# Altium PCB RFC_MB.PcbDoc (part 36 of 37)
Units mm, origin at the board's own origin, x right, y up, seen from the top; angles counter-clockwise.
Board outline 440 x 340 mm, 6 copper layers (TopLayer, PlaneGnd, PlanePwr, MidLayer3, MidLayer4, BottomLayer); 1264 components, 1336 nets, 5034 pads, 876 vias.
Unrouted connection lines stored in the file: 2433.
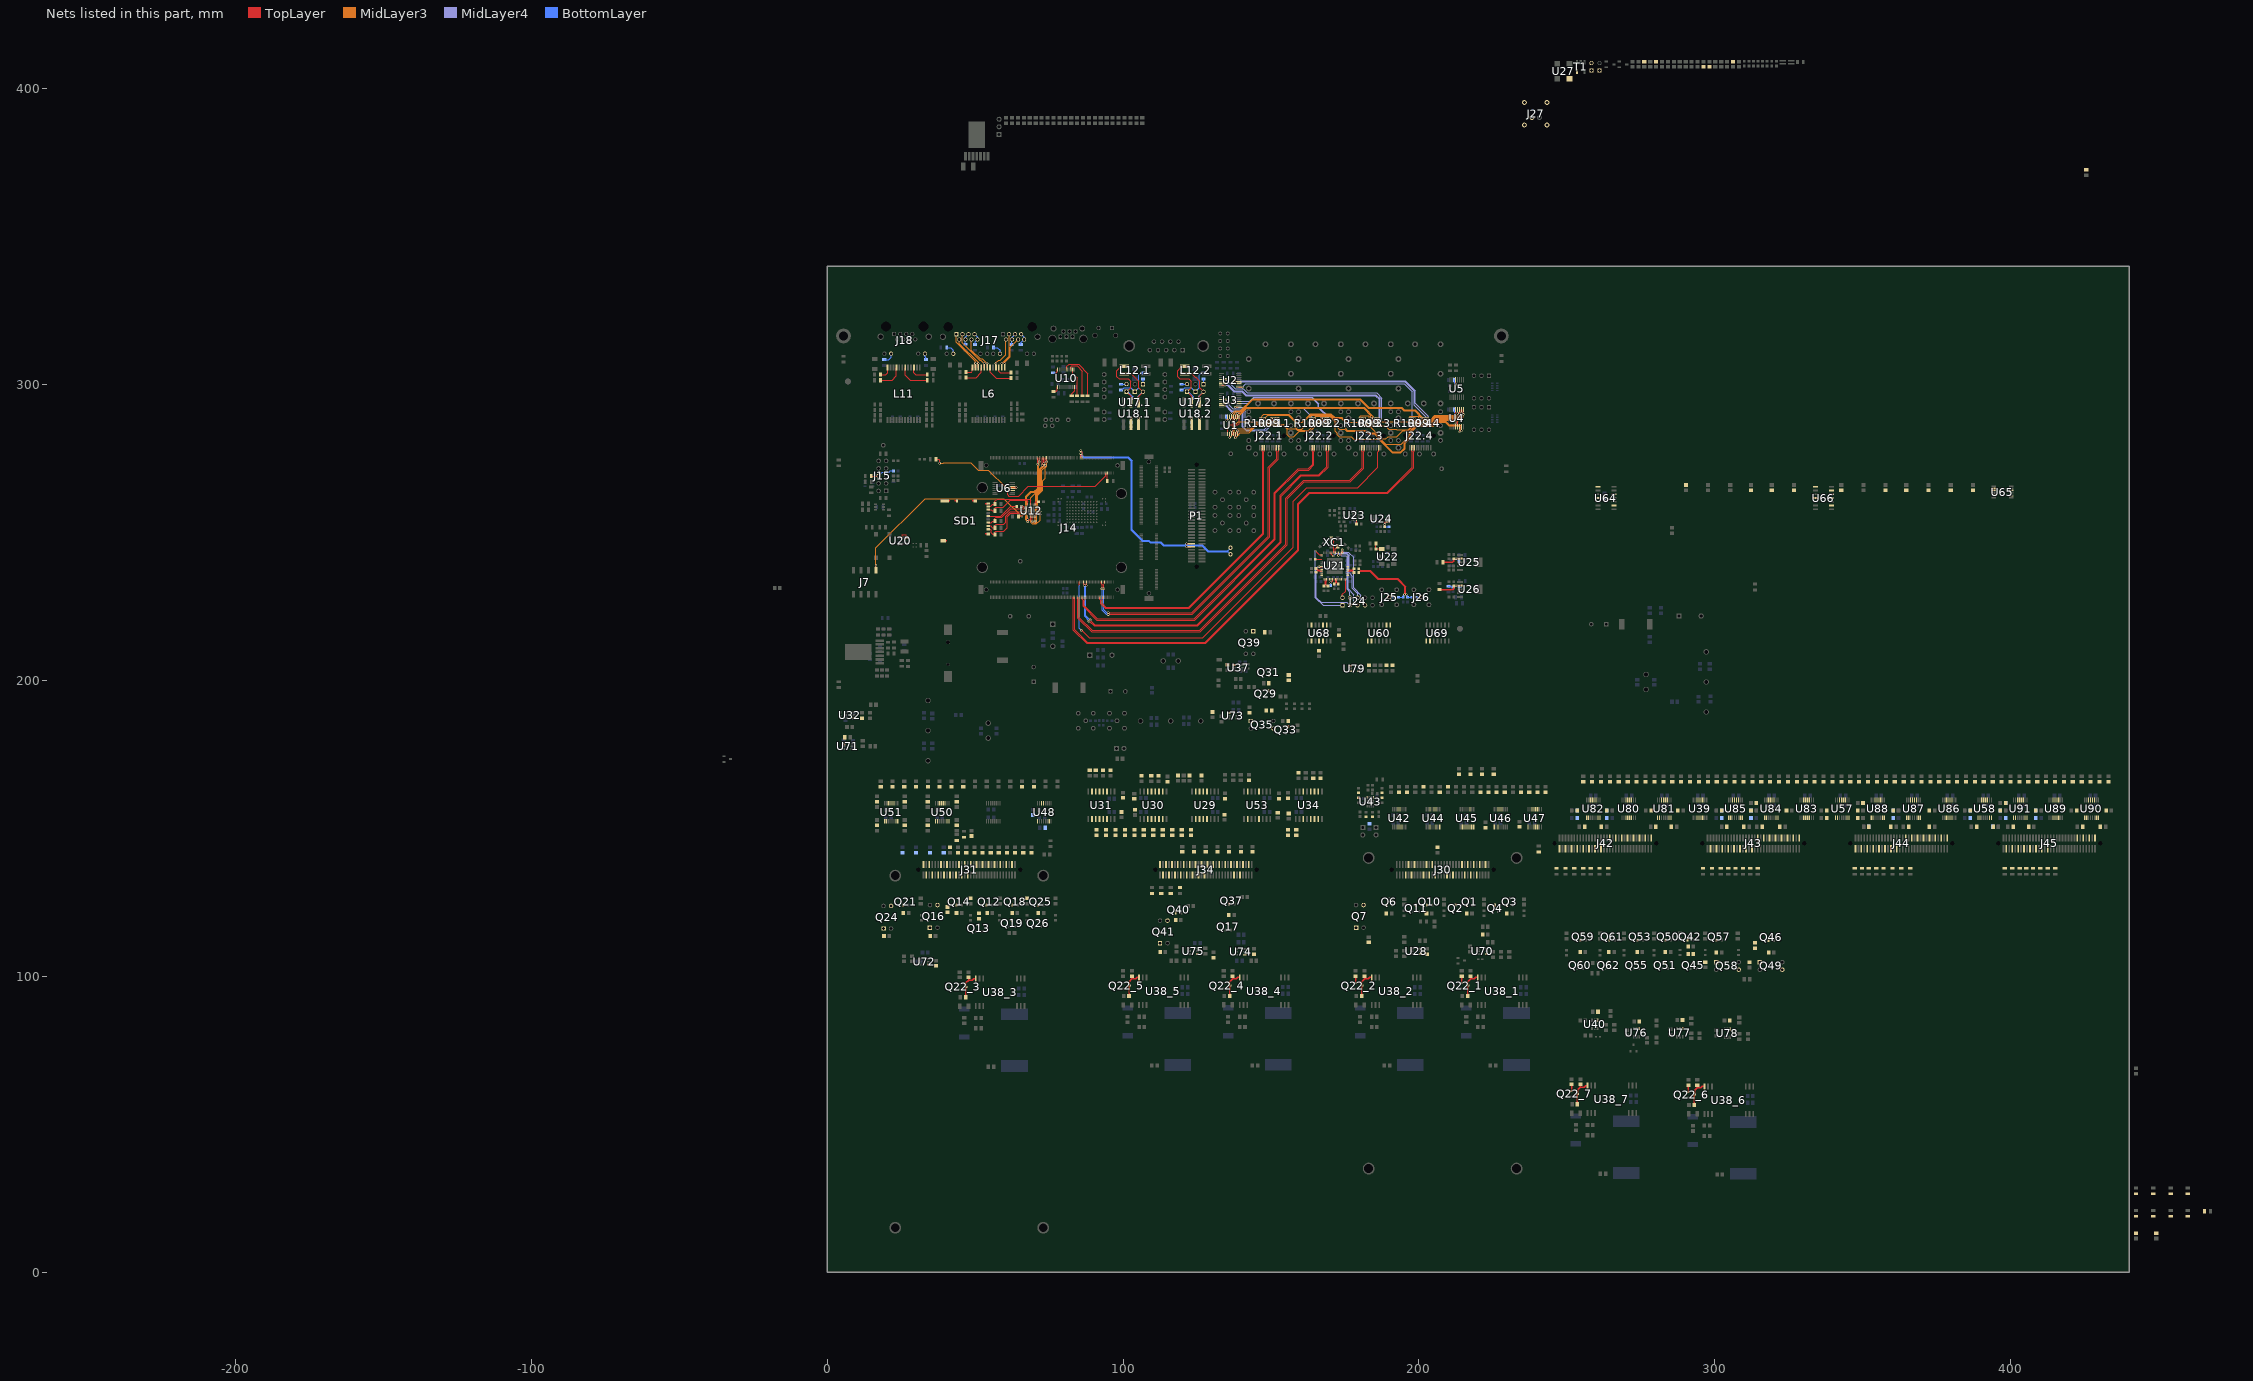
[diagram p40: the nets of this part, all layers, seen from the top]

## Via types
v1: diameter 0.8, hole 0.4, TopLayer to BottomLayer, 488 vias
v2: diameter 1, hole 0.5, TopLayer to BottomLayer, 251 vias
v3: diameter 0.5, hole 0.2, TopLayer to BottomLayer, tented both sides, 137 vias

## Nets (pads, with @x,y where several pads share a name; then routed paths per layer and width w, separated by ;. In a path a pad name is that pad's centre, name@x,y a point inside that pad or via, vN(x,y) a via of type N, cw(c..) or ccw(c..) an arc to the next point about the centre after c; other vN are vias at no path point) (continued)
NetJ17_1B: J17.1B L6.23 | length 13.9
  TopLayer w0.3: L6.23@50.095,305.7 v1(50.095,307.065)
  MidLayer3 w0.25: J17.1B@43.665,316.985 43.665,314.255 50.095,307.825 v1(50.095,307.065)
NetJ17_2A: J17.2A L6.16 | length 11.2
  TopLayer w0.3: L6.16@57.025,305.7 v1(57.025,307.065)
  MidLayer3 w0.25: v1(57.025,307.065) 57.025,307.3 57.915,308.19 58.459,308.19 60.355,310.086 60.355,315.125 J17.2A@60.435,315.205
NetJ17_2B: J17.2B L6.22 | length 12.2
  TopLayer w0.3: L6.22@51.085,305.7 v1(51.085,307.065)
  MidLayer3 w0.25: J17.2B@44.685,315.205 44.685,313.829 51.085,307.429 v1(51.085,307.065)
NetJ17_3A: J17.3A L6.14 | length 12.3
  TopLayer w0.3: L6.14@59.005,305.7 v1(59.005,307.065)
  MidLayer3 w0.25: v1(59.005,307.065) 61.455,309.515 J17.3A@61.455,316.985
NetJ17_3B: J17.3B L6.20 | length 14.6
  TopLayer w0.3: L6.20@53.065,305.7 v1(53.065,307.065)
  MidLayer3 w0.25: J17.3B@45.705,316.985 45.705,314.015 51.51,308.21 51.92,308.21 v1(53.065,307.065)
NetJ17_4A: J17.4A J17.5A R86.1 | length 3.9
  BottomLayer w0.25: R86.1@62.335,313.535 62.335,315.825 J17.5A@63.495,316.985
NetJ17_4B: J17.4B J17.5B R81.1 | length 3.9
  BottomLayer w0.3: R81.1@46.76,313.56 46.725,313.595 J17.4B@46.725,315.205 46.725,315.965 J17.5B@47.745,316.985
NetJ17_6A: J17.6A L6.13 | length 11.4
  TopLayer w0.3: L6.13@59.995,305.7 v1(59.995,307.065)
  MidLayer3 w0.25: v1(59.995,307.065) 59.995,307.461 61.875,309.341 61.875,312.565 J17.6A@64.515,315.205
NetJ17_6B: J17.6B L6.19 | length 12.2
  TopLayer w0.3: L6.19@54.055,305.7 v1(54.055,307.065)
  MidLayer3 w0.25: J17.6B@48.765,315.205 48.765,311.549 51.654,308.66 52.46,308.66 v1(54.055,307.065)
NetJ17_7A: J17.7A J17.8A R87.1 | length 4.3
  BottomLayer w0.25: R87.1@65.41,313.535 65.41,314.06 J17.8A@66.555,315.205 66.555,315.965 J17.7A@65.535,316.985
NetJ17_7B: J17.7B J17.8B R83.1 | length 4.2
  BottomLayer w0.3: J17.7B@49.785,316.985 50.805,315.965 J17.8B@50.805,315.205 49.96,314.36 R83.1@49.96,313.535
NetJ17_10A: J17.10A R85.2 | length 3.8
  BottomLayer w0.25: R85.2@56.175,312.475 57.45,312.475 58.405,311.52 J17.10A@58.405,310.375
NetJ17_10B: J17.10B R79.2 | length 3.9
  BottomLayer w0.25: R79.2@40.385,312.485 41.79,312.485 42.655,311.62 J17.10B@42.655,310.375
NetJ18_10: J18.10 R90.2 | length 3.9
  BottomLayer w0.25: R90.2@19.275,308.4 20.85,308.4 21.62,309.17 J18.10@21.62,310.415
NetJ18_12: J18.12 R92.2 | length 2.1
  BottomLayer w0.25: J18.12@33.05,310.415 33.05,309.55 33.375,309.225 R92.2@33.375,308.45
NetJ19.1_1: J19.1.1 L12.1.2 U17.1.1 U18.1.7 | length 22.1
  TopLayer w0.3: L12.1.2@100.375,306.125 99.375,306.125 97.925,304.675 97.925,302.575 98.65,301.85 101.725,301.85 102.55,301.025 102.55,298.955 J19.1.1@101.15,297.555 102.726,295.979 102.726,293.975 102.726,293.92 U18.1.7@102.725,293.975
  BottomLayer w0.3: J19.1.1@101.15,297.555 101.52,297.555 103.2,295.875 U17.1.1@103.2,295.325
NetJ19.1_2: J19.1.2 R94.1.2 | length 1.9
  BottomLayer w0.3: R94.1.2@99.25,300.075 101.13,300.075 J19.1.2@101.15,300.095
NetJ19.2_1: J19.2.1 L12.2.2 U17.2.1 U18.2.7 | length 22.1
  TopLayer w0.3: L12.2.2@120.85,306.125 119.85,306.125 118.4,304.675 118.4,302.575 119.125,301.85 122.2,301.85 123.025,301.025 123.025,298.955 J19.2.1@121.625,297.555 123.201,295.979 123.201,293.975 123.201,293.92 U18.2.7@123.2,293.975
  BottomLayer w0.3: J19.2.1@121.625,297.555 121.995,297.555 123.675,295.875 U17.2.1@123.675,295.325
NetJ19.2_2: J19.2.2 R94.2.2 | length 1.9
  BottomLayer w0.3: R94.2.2@119.725,300.075 121.605,300.075 J19.2.2@121.625,300.095
NetJ20.1_1: J20.1.1 R94.1.1 R96.1.2 | length 13.6
  BottomLayer w0.3: R94.1.1@99.25,298.075 99.625,298.075 100.425,298.875 102.605,298.875 J20.1.1@103.95,297.53 105.325,298.905 105.325,303.25 105.925,303.85 R96.1.2@106.75,303.85
NetJ20.2_1: J20.2.1 R94.2.1 R96.2.2 | length 13.6
  BottomLayer w0.3: R94.2.1@119.725,298.075 120.1,298.075 120.9,298.875 123.08,298.875 J20.2.1@124.425,297.53 125.8,298.905 125.8,303.25 126.4,303.85 R96.2.2@127.225,303.85
NetJ21.1_1: J21.1.1 R96.1.1 | length 1.8
  BottomLayer w0.3: J21.1.1@106.75,300.07 R96.1.1@106.75,301.85
NetJ21.1_2: J21.1.2 L12.1.3 U17.1.2 U18.1.6 | length 17.3
  TopLayer w0.3: L12.1.3@100.375,303.625 102.75,303.625 105.35,301.025 105.35,298.93 J21.1.2@106.75,297.53 105.276,296.056 105.276,293.975 105.276,293.92 U18.1.6@105.275,293.975
  BottomLayer w0.3: U17.1.2@105.1,295.325 105.1,295.95 106.68,297.53 J21.1.2@106.75,297.53
NetJ21.2_1: J21.2.1 R96.2.1 | length 1.8
  BottomLayer w0.3: J21.2.1@127.225,300.07 R96.2.1@127.225,301.85
NetJ21.2_2: J21.2.2 L12.2.3 U17.2.2 U18.2.6 | length 17.3
  TopLayer w0.3: L12.2.3@120.85,303.625 123.225,303.625 125.825,301.025 125.825,298.93 J21.2.2@127.225,297.53 125.751,296.056 125.751,293.975 125.751,293.92 U18.2.6@125.75,293.975
  BottomLayer w0.3: U17.2.2@125.575,295.325 125.575,295.95 127.155,297.53 J21.2.2@127.225,297.53
NetJ25_1: J25.1 R126.2 | length 1.6
  BottomLayer w0.3: J25.1@189.9,228.1 R126.2@191.525,228.1
NetJ26_1: J26.1 R128.2 | length 1.6
  BottomLayer w0.25: R128.2@199.25,228.1 J26.1@200.825,228.1
NetJ27_2: J27.2 J28.1 R142.2 T1.6
NetJ27_3: J27.3 J29.1
NetJ28_2: J28.2 R137.1
NetJ30_35: J30.35 L19.1
NetJ30_39: J30.39 L20.1
NetJ30_47: J30.47 L22.1
NetJ30_51: J30.51 L23.1
NetJ30_55: J30.55 L24.1
NetJ31_3: J31.3 R272.2
NetJ31_7: J31.7 R273.1
NetJ31_11: J31.11 R276.2
NetJ31_15: J31.15 R277.1
NetJ31_19: J31.19 R279.2
NetJ31_23: J31.23 R281.2
NetJ31_27: J31.27 R303.2
NetJ31_31: J31.31 R305.2
NetJ31_34: J31.34 R308.1
NetJ31_35: J31.35 L26.1
NetJ31_38: J31.38 R310.1
NetJ31_39: J31.39 L27.1
NetJ31_42: J31.42 R311.1
NetJ31_46: J31.46 R313.1
NetJ31_47: J31.47 L28.1
NetJ31_50: J31.50 R314.1
NetJ31_51: J31.51 L30.1
NetJ31_54: J31.54 R319.1
NetJ31_58: J31.58 R320.1
NetJ31_59: J31.59 L33.1
NetJ31_62: J31.62 R321.1
NetJ31_63: J31.63 L34.1
NetJ34_3: J34.3 R324.1
NetJ34_7: J34.7 R382.1
NetJ34_11: J34.11 R383.1
NetJ34_15: J34.15 R384.1
NetJ34_19: J34.19 R385.1
NetJ34_23: J34.23 R394.1
NetJ34_27: J34.27 R395.1
NetJ34_31: J34.31 R396.1
NetJ34_34: J34.34 R397.2
NetJ34_35: J34.35 R398.1
NetJ34_38: J34.38 R399.2
NetJ34_39: J34.39 R400.1
NetJ34_42: J34.42 R411.2
NetJ34_43: J34.43 R412.1
NetJ34_46: J34.46 R413.2
NetJ34_47: J34.47 R414.1
NetJ34_50: J34.50 R415.2
NetJ34_51: J34.51 L35.1
NetJ34_54: J34.54 R416.2
NetJ34_55: J34.55 L37.1
NetJ34_58: J34.58 R417.2
NetJ34_59: J34.59 L38.1
NetJ34_62: J34.62 R418.2
NetJ34_63: J34.63 L39.1
NetJ42_36: J42.36 L54.1
NetJ42_40: J42.40 L55.1
NetJ42_44: J42.44 L68.1
NetJ42_48: J42.48 L69.1
NetJ42_52: J42.52 L70.1
NetJ42_56: J42.56 L71.1
NetJ42_60: J42.60 L72.1
NetJ42_64: J42.64 L73.1
NetJ43_34: J43.34 L74.1
NetJ43_38: J43.38 L75.1
NetJ43_42: J43.42 L76.1
NetJ43_46: J43.46 L77.1
NetJ43_50: J43.50 L78.1
NetJ43_54: J43.54 L79.1
NetJ43_58: J43.58 L81.1
NetJ43_62: J43.62 L82.1
NetJ44_36: J44.36 L83.1
NetJ44_40: J44.40 L84.1
NetJ44_44: J44.44 L85.1
NetJ44_48: J44.48 L86.1
NetJ44_52: J44.52 L87.1
NetJ44_56: J44.56 L88.1
NetJ44_60: J44.60 L89.1
NetJ44_64: J44.64 L90.1
NetJ45_34: J45.34 L91.1
NetJ45_38: J45.38 L92.1
NetJ45_42: J45.42 L93.2
NetJ45_46: J45.46 L94.2
NetJ45_50: J45.50 L95.1
NetJ45_54: J45.54 L96.1
NetJ45_58: J45.58 L97.1
NetJ45_62: J45.62 L98.1
NetL6_15: L6.15 R84.2 | length 5.6
  TopLayer w0.3: L6.15@58.015,305.7 58.015,304.38 58.41,303.985 R84.2@62.16,303.985
NetL6_18: L6.18 R82.2 | length 9.5
  TopLayer w0.3: L6.18@55.045,305.7 55.045,304.2 57.085,302.16 R82.2@62.16,302.16
NetL6_21: L6.21 R80.2 | length 7.5
  TopLayer w0.3: R80.2@46.91,302.31 50.335,302.31 52.075,304.05 L6.21@52.075,305.7
NetL6_24: L6.24 R78.2 | length 3.5
  TopLayer w0.3: R78.2@46.91,304.16 48.785,304.16 49.105,304.48 L6.24@49.105,305.7
NetL11_15: L11.15 R93.2 | length 6.5
  TopLayer w0.3: L11.15@29.32,305.7 29.32,303.925 29.91,303.335 R93.2@33.81,303.335
NetL11_18: L11.18 R91.2 | length 10.8
  TopLayer w0.3: L11.18@26.35,305.7 26.35,303.07 27.985,301.435 R91.2@33.81,301.435
NetL11_21: L11.21 R89.2 | length 8.7
  TopLayer w0.3: R89.2@18.035,301.435 21.91,301.435 23.38,302.905 L11.21@23.38,305.7
NetL11_24: L11.24 R88.2 | length 4.4
  TopLayer w0.3: R88.2@18.035,303.335 19.81,303.335 20.41,303.935 L11.24@20.41,305.7
NetQ1_1: Q1.1 Q2.3 R147.1
NetQ3_1: Q3.1 Q4.3 R162.1
NetQ6_1: Q6.1 Q7.3 R157.1
NetQ7_1: Q7.1 R159.2
NetQ10_1: Q10.1 Q11.3 R165.2
NetQ12_1: Q12.1 R145.2 R167.1
NetQ13_3: Q13.3 R145.1
NetQ14_1: Q14.1 R170.1 R171.2
NetQ14_3: Q14.3 R169.2
NetQ16_1: Q16.1 R175.2
NetQ16_3: Q16.3 R171.1
NetQ17_3: Q17.3 Q37.1 R219.1
NetQ18_1: Q18.1 Q19.3 R179.1
NetQ18_3: Q18.3 R178.2
NetQ21_1: Q21.1 Q24.3 R186.1
NetQ22_1_1: Q22_1.1 Q22_2.1 R233_1.2 R233_2.2 | length 4.6
  TopLayer w0.5: Q22_2.1@178.5,97.75 178.6,97.85 R233_2.2@178.6,100.004 ; Q22_1.1@214.35,97.75 214.45,97.85 R233_1.2@214.45,100.004
NetQ22_1_3: Q22_1.3 R241_1.2 R253_1.1 U38_1.28 | length 9.7
  TopLayer w0.5: R253_1.1@216.45,93.3 216.45,96.7 Q22_1.3@216.55,96.8 216.55,98.2 217.45,99.1 ; R241_1.2@217.45,100.004 217.45,99.1 ; U38_1.28@219.85,99.6 219.2,99.6 218.7,99.1 217.45,99.1
NetQ22_2_3: Q22_2.3 R241_2.2 R253_2.1 U38_2.28 | length 9.7
  TopLayer w0.5: R253_2.1@180.6,93.3 180.6,96.7 Q22_2.3@180.7,96.8 180.7,98.2 181.6,99.1 ; R241_2.2@181.6,100.004 181.6,99.1 ; U38_2.28@184,99.6 183.35,99.6 182.85,99.1 181.6,99.1
NetQ22_3_3: Q22_3.3 R241_3.2 R253_3.1 U38_3.28 | length 9.7
  TopLayer w0.5: R253_3.1@46.8,92.9 46.8,96.3 Q22_3.3@46.9,96.4 46.9,97.8 47.8,98.7 ; R241_3.2@47.8,99.604 47.8,98.7 ; U38_3.28@50.2,99.2 49.55,99.2 49.05,98.7 47.8,98.7
NetQ22_4_3: Q22_4.3 R241_4.2 R253_4.1 U38_4.28 | length 9.7
  TopLayer w0.5: R253_4.1@135.999,93.323 135.999,96.723 Q22_4.3@136.099,96.823 136.099,98.223 136.999,99.123 ; R241_4.2@136.999,100.027 136.999,99.123 ; U38_4.28@139.399,99.623 138.749,99.623 138.249,99.123 136.999,99.123
NetQ22_5_3: Q22_5.3 R241_5.2 R253_5.1 U38_5.28 | length 9.7
  TopLayer w0.5: R253_5.1@102,93.3 102,96.7 Q22_5.3@102.1,96.8 102.1,98.2 103,99.1 ; R241_5.2@103,100.004 103,99.1 ; U38_5.28@105.4,99.6 104.75,99.6 104.25,99.1 103,99.1
NetQ22_6_1: Q22_6.1 Q22_7.1 R233_6.2 R233_7.2 | length 4.6
  TopLayer w0.5: Q22_7.1@251.45,61.2 251.55,61.3 R233_7.2@251.55,63.454 ; Q22_6.1@290.95,60.95 291.05,61.05 R233_6.2@291.05,63.204
NetQ22_6_3: Q22_6.3 R241_6.2 R253_6.1 U38_6.28 | length 9.7
  TopLayer w0.5: R253_6.1@293.05,56.5 293.05,59.9 Q22_6.3@293.15,60 293.15,61.4 294.05,62.3 ; R241_6.2@294.05,63.204 294.05,62.3 ; U38_6.28@296.45,62.8 295.8,62.8 295.3,62.3 294.05,62.3
NetQ22_7_3: Q22_7.3 R241_7.2 R253_7.1 U38_7.28 | length 9.7
  TopLayer w0.5: R253_7.1@253.55,56.75 253.55,60.15 Q22_7.3@253.65,60.25 253.65,61.65 254.55,62.55 ; R241_7.2@254.55,63.454 254.55,62.55 ; U38_7.28@256.95,63.05 256.3,63.05 255.8,62.55 254.55,62.55
NetQ24_1: Q24.1 R191.2
NetQ25_1: Q25.1 Q26.3 R194.1
NetQ29_1: Q29.1 R201.1 R203.2
NetQ31_3: Q31.3 R203.1
NetQ33_1: Q33.1 R210.1 R211.2
NetQ35_1: Q35.1 R213.2
NetQ35_3: Q35.3 R211.1
NetQ39_1: Q39.1 R221.2
NetQ40_1: Q40.1 Q41.3 R224.1
NetQ41_1: Q41.1 R226.2
NetQ42_1: Q42.1 R230.2 R232.2
NetQ45_3: Q45.3 R232.1
NetQ46_1: Q46.1 R237.1 R239.2
NetQ49_1: Q49.1 R242.2
NetQ49_3: Q49.3 R239.1
NetQ50_1: Q50.1 Q51.3 R245.1
NetQ53_1: Q53.1 Q55.3 R252.1
NetQ57_1: Q57.1 Q58.3 R259.1
NetQ58_1: Q58.1 R260.2
NetQ59_1: Q59.1 Q60.3 R262.1
NetQ61_1: Q61.1 Q62.3 R264.1
NetR1_2: R1.2 U1.17 | length 2.7
  TopLayer w0.15: v1(134.95,287.875) 135.35,288.275 U1.17@135.35,289.125
  BottomLayer w0.15: v1(134.95,287.875) R1.2@134.95,289.125
NetR2_2: R2.2 U4.13 | length 3.1
  TopLayer w0.15: 212.025,290.075 212.05,290.05 212.4,290.4 U4.13@212.4,291.52
  BottomLayer w0.15: 212.025,290.075 R2.2@212.025,291.5
NetR3_1: R3.1 U1.4 U1.7 U1.11 U1.14 | length 16.3
  TopLayer w0.15: U1.4@135.35,283.225 135.35,285.75 135.95,286.35 137.3,286.35 ; U1.7@137.3,283.225 137.3,286.35 ; U1.14@137.3,289.125 v1(137.3,287.45) 137.3,286.375 ; U1.11@139.25,289.125 139.25,286.8 138.8,286.35 137.325,286.35 137.3,286.375 ; 137.3,286.35 137.3,286.375
  BottomLayer w0.15: v1(137.3,287.45) 137.6,287.15 R3.1@137.6,286.375
NetR10_2: R10.2 U5.13 | length 3.1
  TopLayer w0.15: v1(212.4,300.1) U5.13@212.4,301.545
  BottomLayer w0.15: R10.2@212.025,301.55 212.025,300.475 v1(212.4,300.1)
NetR50_2: R50.2 U10.1 | length 2.6
  TopLayer w0.25: R50.2@76.485,297.66 77.435,297.66 77.785,298.01 U10.1@77.785,299.16
NetR51_1: R51.1 U10.20 | length 2.5
  TopLayer w0.25: 77.31,303.935 77.36,303.885 77.785,304.31 U10.20@77.785,305.06
  BottomLayer w0.25: R51.1@76.26,303.935 77.31,303.935
NetR53_2: R53.2 U10.13 | length 14
  TopLayer w0.25: U10.13@82.335,305.06 82.335,305.885 82.725,306.275 84.425,306.275 86.25,304.45 86.25,296.175 R53.2@86.225,296.175
NetR55_2: R55.2 U10.15 | length 17.1
  TopLayer w0.25: U10.15@81.035,305.06 81.035,306.085 81.725,306.775 84.932,306.775 88.025,303.682 R55.2@88.025,296.175
NetR56_2: R56.2 U10.12 | length 9.5
  TopLayer w0.25: U10.12@82.985,305.06 82.985,303.66 84.425,302.22 R56.2@84.425,296.175
NetR57_2: R57.2 U10.10 | length 3.4
  TopLayer w0.25: R57.2@82.625,296.175 82.625,296.875 83.635,297.885 U10.10@83.635,299.16
NetR71_1: R71.1 U12.19 | length 1.5
  TopLayer w0.15: R71.1@65.675,258.8 66.175,258.8 66.425,258.55 U12.19@67.025,258.55
NetR72_1: R72.1 U12.13 | length 2.1
  TopLayer w0.15: U12.13@70.275,259.3 70.275,260.05 70.6,260.375 R72.1@71.45,260.375
NetR95.1_1: R95.1.1 U18.1.2 | length 3.6
  TopLayer w0.25: v1(102.7,288.55) 102.7,286.4 U18.1.2@102.725,286.375
  BottomLayer w0.25: R95.1.1@102.7,287.15 v1(102.7,288.55)
NetR95.2_1: R95.2.1 U18.2.2 | length 3.6
  TopLayer w0.25: v1(123.175,288.55) 123.175,286.4 U18.2.2@123.2,286.375
  BottomLayer w0.25: R95.2.1@123.175,287.15 v1(123.175,288.55)
NetR97.1_1: R97.1.1 U18.1.3 | length 3.7
  TopLayer w0.25: U18.1.3@105.275,286.375 105.325,286.425 105.3,286.45 v1(105.3,288.6)
  BottomLayer w0.25: R97.1.1@105.3,287.2 v1(105.3,288.6)
NetR97.2_1: R97.2.1 U18.2.3 | length 3.7
  TopLayer w0.25: U18.2.3@125.75,286.375 125.8,286.425 125.775,286.45 v1(125.775,288.6)
  BottomLayer w0.25: R97.2.1@125.775,287.2 v1(125.775,288.6)
NetR98_1: R98.1 U20.1 | length 3.1
  TopLayer w0.25: U20.1@25.3,248.325 25.3,249.075 25.425,249.2 26.6,249.2 26.775,249.025 R98.1@26.775,248.3
NetR101_2: C120.1 C122.2 C123.2 R101.2 R130.2 U26.2 | length 12.1
  TopLayer w0.3: C120.1@211.723,231.875 211.843,231.995 v1(212.507,231.995) U26.2@213.875,231.995
  TopLayer w0.5: R101.2@206.925,230.7 211.425,230.7 211.723,230.998 C120.1@211.723,231.875
  BottomLayer w0.25: R130.2@209.923,231.775 210.675,231.775 210.9,231.55 C122.2@211.523,231.55 212.062,231.55 v1(212.507,231.995) 212.752,231.75 C123.2@213.673,231.75
NetR103_2: C114.1 C116.2 R103.2 U25.2 | length 8.1
  TopLayer w0.25: C114.1@211.725,241.075 212.429,241.075 v1(212.507,241.153)
  TopLayer w0.3: v1(212.507,241.153) U25.2@213.875,241.153
  TopLayer w0.5: R103.2@208.075,239.9 211.325,239.9 211.725,240.3 C114.1@211.725,241.075
  BottomLayer w0.25: v1(212.507,241.153) 213.252,240.408 C116.2@213.525,240.408
NetR107_1: R107.1 R108.1 U22.4 | length 3.5
  TopLayer w0.25: R107.1@185.425,245.85 R108.1@185.425,244.425 185.46,244.39 U22.4@187.45,244.39
NetR115_2: R115.2 U21.39 | length 2.4
  TopLayer w0.15: v1(170.15,233.05) 170.775,233.675 U21.39@170.775,234.225
  BottomLayer w0.15: R115.2@170.15,232.1 v1(170.15,233.05)
NetR116_1: R116.1 U23.16 | length 1.5
  TopLayer w0.3: R116.1@178.9,252.825 U23.16@178.9,254.275
NetR122_2: R122.2 R123.2 R124.1 U24.1 | length 4.7
  TopLayer w0.15: R122.2@188.45,251.925 188.45,252.025 v1(188.45,252.7) 188.45,253.375 188.65,253.575 U24.1@189.5,253.575
  BottomLayer w0.25: v1(188.45,252.7) R123.2@188.45,251.925 R124.1@189.825,251.925
NetR133_2: R133.2 U27.3
NetR138_1: R138.1 R143.2
NetR148_1: R148.1 U64.1
NetR151_2: R151.2 U74.4
NetR153_1: R153.1 U80.14
NetR158_2: R158.2 U78.4
NetR160_2: R160.2 U70.4
NetR168_2: R168.2 U28.4
NetR177_2: R177.2 U68.9 U79.1
NetR182_1: R182.1 U81.14
NetR183_1: R183.1 U82.14
NetR184_2: R184.2 U32.4
NetR188_2: R188.2 U71.4
NetR190_2: R190.2 U72.4
NetR192_2: R192.2 U81.1
NetR195_1: R195.1 R197.2 R275.2
NetR196_1: R196.1 R271.2 U43.1
NetR202_2: R202.2 U73.4
NetR205_1: R205.1 R270.2 U43.6
NetR206_2: R206.2 U37.4
NetR207_2: R207.2 R455.2 U82.1
NetR209_1: R209.1 U80.13
NetR214_2: R214.2 U75.4
NetR220_1: R220.1 U81.13
NetR234_2: R234.2 U40.4
NetR235_2: R235.2 U76.4
NetR238_1: R238.1 U82.13
NetR240_2: R240.2 U81.2
NetR243_2: R243.2 U77.4
NetR246_2: R246.2 R454.1 U82.2
NetR255_1: R255.1 U64.4
NetR256_1: R256.1 U80.12
NetR280_1: R280.1 R318.2 U50.1
NetR285_2: R285.2 U47.1
NetR289_2: R289.2 U46.3
NetR290_1: R290.1 U65.9
NetR293_2: R293.2 U46.1
NetR302_1: R302.1 U47.11
NetR304_1: R304.1 R317.2 U50.2
NetR306_2: R306.2 U48.7
NetR307_2: R307.2 U48.1
NetR309_1: R309.1 R316.2 U50.7
NetR312_1: R312.1 R315.2 U50.8
NetR322_1: R322.1 R330.2 U51.1
NetR323_1: R323.1 R329.2 U51.2
NetR325_1: R325.1 R328.2 U51.7
NetR326_1: R326.1 R327.2 U51.8
NetR341_2: R341.2 U34.10
NetR342_1: R342.1 U34.7
NetR343_2: R343.2 U53.7
NetR344_1: R344.1 U53.10
NetR345_2: R345.2 U29.7
NetR346_1: R346.1 U29.10
NetR347_2: R347.2 U30.10
NetR348_1: R348.1 U30.7
NetR349_2: R349.2 U31.7
NetR350_1: R350.1 U31.10
NetR351_1: R351.1 U39.14
NetR352_1: R352.1 U57.14
NetR353_1: R353.1 U58.14
NetR354_2: R354.2 U57.1
NetR355_2: R355.2 R377.2 U58.1
NetR356_1: R356.1 U39.13
NetR357_1: R357.1 U57.13
NetR358_1: R358.1 U58.13
NetR359_2: R359.2 U57.2
NetR360_2: R360.2 R376.1 U58.2
NetR361_1: R361.1 U39.12
NetR362_1: R362.1 U57.12
NetR363_1: R363.1 U58.12
NetR364_2: R364.2 U57.7
NetR365_2: R365.2 R375.1 U58.7
NetR366_1: R366.1 U39.11
NetR367_1: R367.1 U57.11
NetR368_1: R368.1 U58.11
NetR369_2: R369.2 U57.8
NetR373_2: R373.2 R374.1 U58.8
NetR386_1: R386.1 U65.12
NetR387_1: R387.1 U64.9
NetR388_1: R388.1 U64.12
NetR389_1: R389.1 U66.1
NetR390_1: R390.1 U66.4
NetR391_1: R391.1 U66.9
NetR392_2: R392.2 U66.11
NetR393_1: R393.1 U65.5
NetR408_2: R408.2 U79.4
NetR409_2: R409.2 U66.12
NetR437_1: R437.1 U81.12
NetR438_1: R438.1 U82.12
NetR441_2: R441.2 U66.13
NetR442_2: R442.2 U81.7
NetR443_2: R443.2 U68.2 U68.3
NetR444_2: R444.2 R451.1 U82.7
NetR445_1: R445.1 U80.11
NetR446_1: R446.1 U81.11
NetR447_1: R447.1 U82.11
NetR448_2: R448.2 U81.8
NetR449_2: R449.2 R450.1 U82.8
NetR452_1: R452.1 U79.3
NetR453_1: R453.1 U65.2
NetR456_1: R456.1 U83.14
NetR457_1: R457.1 U84.14
NetR458_1: R458.1 U85.14
NetR459_2: R459.2 U84.1
NetR460_2: R460.2 R479.2 U85.1
NetR461_1: R461.1 U83.13
NetR462_2: R462.2 U84.13
NetR463_1: R463.1 U85.13
NetR464_2: R464.2 U84.2
NetR465_2: R465.2 R478.1 U85.2
NetR466_1: R466.1 U83.12
NetR467_1: R467.1 U84.12
NetR468_1: R468.1 U85.12
NetR469_2: R469.2 U84.7
NetR470_2: R470.2 R477.1 U85.7
NetR471_1: R471.1 U83.11
NetR472_1: R472.1 U84.11
NetR473_1: R473.1 U85.11
NetR474_2: R474.2 U84.8
NetR475_2: R475.2 R476.1 U85.8
NetR480_1: R480.1 U86.14
NetR481_1: R481.1 U87.14
NetR482_1: R482.1 U88.14
NetR483_1: R483.1 U86.13
NetR484_2: R484.2 U87.1
NetR485_2: R485.2 R503.2 U88.1
NetR486_1: R486.1 U87.13
NetR487_1: R487.1 U88.13
NetR488_1: R488.1 U86.12
NetR489_2: R489.2 U87.2
NetR490_2: R490.2 R502.1 U88.2
NetR491_1: R491.1 U87.12
NetR492_1: R492.1 U88.12
NetR493_1: R493.1 U86.11
NetR494_2: R494.2 U87.7
NetR495_2: R495.2 R501.1 U88.7
NetR496_1: R496.1 U87.11
NetR497_1: R497.1 U88.11
NetR498_2: R498.2 U87.8
NetR499_2: R499.2 R500.1 U88.8
NetR504_1: R504.1 U89.14
NetR505_1: R505.1 U89.13
NetR506_1: R506.1 U90.14
NetR507_1: R507.1 U91.14
NetR508_2: R508.2 U90.1
NetR509_2: R509.2 R527.2 U91.1
NetR510_1: R510.1 U89.12
NetR511_1: R511.1 U90.13
NetR512_1: R512.1 U91.13
NetR513_2: R513.2 U90.2
NetR514_2: R514.2 R526.1 U91.2
NetR515_1: R515.1 U89.11
NetR516_1: R516.1 U90.12
NetR517_1: R517.1 U91.12
NetR518_2: R518.2 U90.7
NetR519_2: R519.2 R525.1 U91.7
NetR520_1: R520.1 U90.11
NetR521_1: R521.1 U91.11
NetR522_2: R522.2 U90.8
NetR523_2: R523.2 R524.1 U91.8
NetU21_8: U21.8 XC1.1 | length 2.5
  TopLayer w0.15: U21.8@171.775,243.125 171.775,244.55 XC1.1@172.525,245.3
NetU21_9: U21.9 XC1.3 | length 5.2
  TopLayer w0.15: XC1.3@170.325,247.9 171.275,246.95 U21.9@171.275,243.125
NetU60_1: U60.1 U60.2 U60.9 U68.12 U69.9
NetU60_8: U60.8 U68.6 U69.8
NetU65_3: U65.3 U68.11
OUT0_N: U21.21
OUT0_P: R125.1 U21.20 | length 2.2
  TopLayer w0.15: R125.1@164.925,240.925 U21.20@167.075,240.925
out1: J42.1 U80.6
out2: J42.5 U80.5
OUT2_N: C99.1 U21.27 | length 2
  TopLayer w0.25: C99.1@165.225,237.8 165.638,237.388 166.488,237.388 166.525,237.425 U21.27@167.075,237.425
OUT2_P: C97.1 U21.28 | length 2
  TopLayer w0.25: C97.1@165.225,236.525 165.663,236.963 166.488,236.963 166.525,236.925 U21.28@167.075,236.925
out3: J42.9 U80.4
OUT3_N: U21.30
OUT3_P: U21.31
out4: J42.13 U80.3
OUT4_N: C93.1 U21.34 | length 2.5
  TopLayer w0.25: C93.1@167.875,231.875 168.312,232.312 168.312,233.637 168.275,233.675 U21.34@168.275,234.225
OUT4_P: C92.1 U21.35 | length 2.6